# Altium PCB 电解模块主控板SC_V1.1_ZM_20211015.PcbDoc (part 4 of 4)
Units mm, origin at the board's own origin, x right, y up, seen from the top; angles counter-clockwise.
Board outline 150.25 x 100.26 mm, 2 copper layers (Top Layer, Bottom Layer); 223 components, 168 nets, 679 pads, 1966 vias.
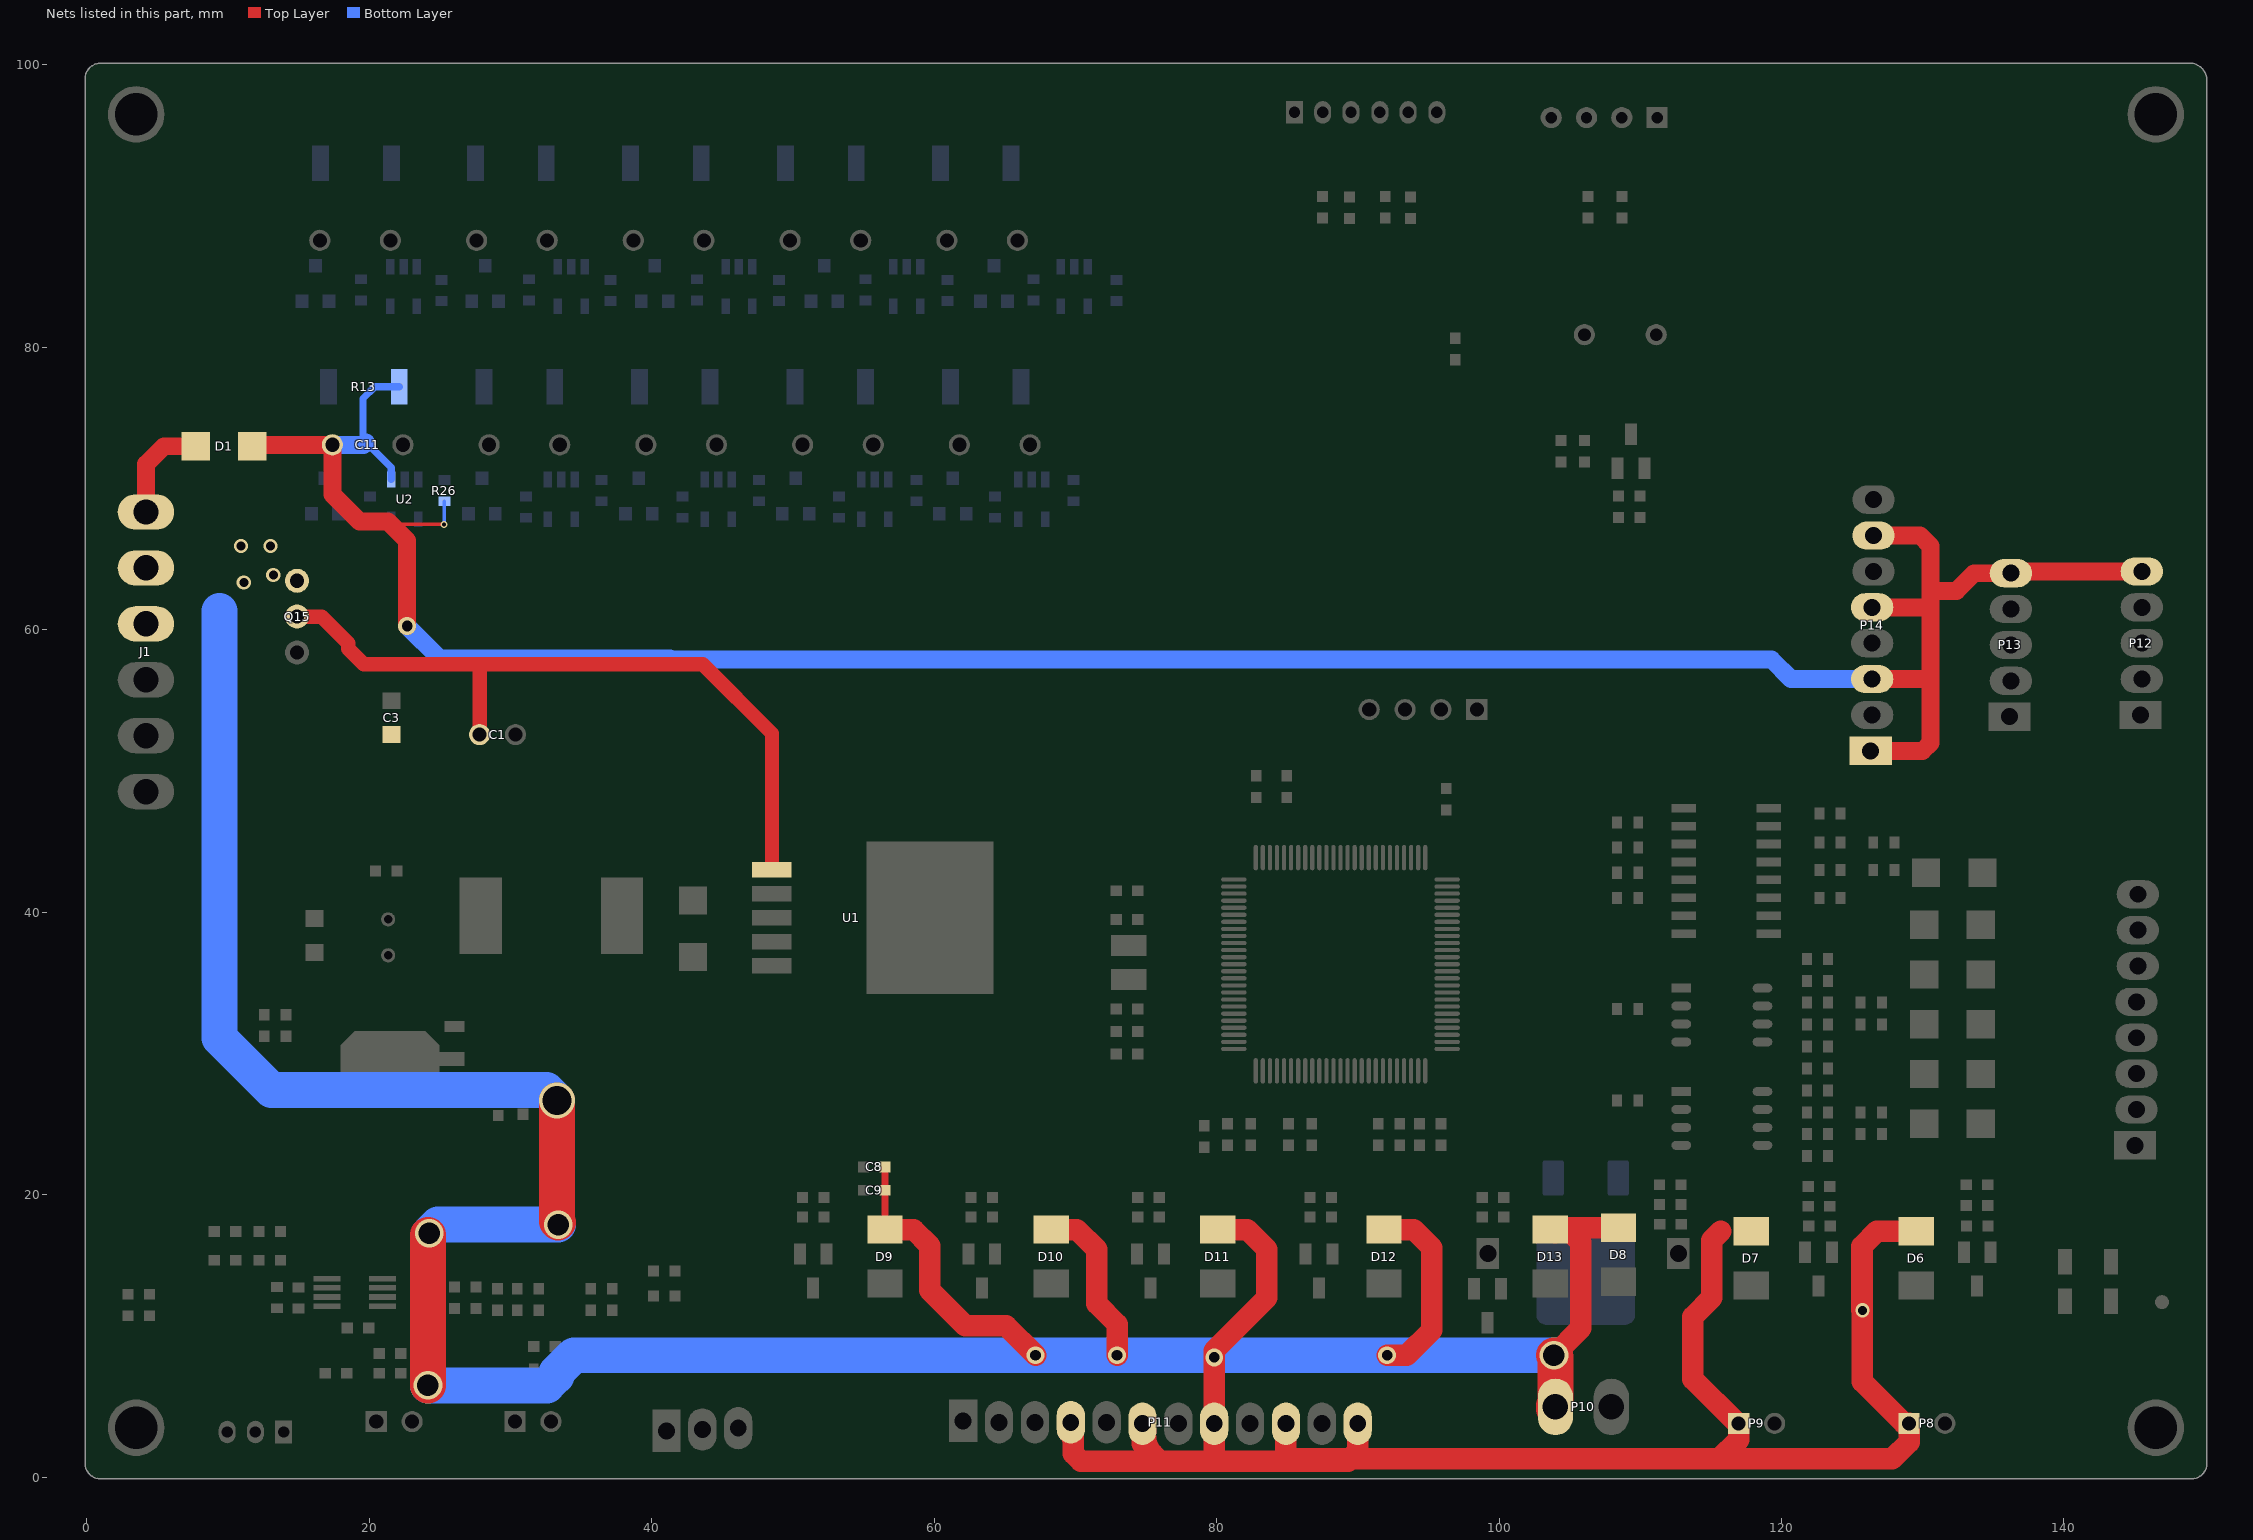
[diagram p4: the nets of this part, all layers, seen from the top]

## Via types
v1: diameter 0.762, hole 0.508, Top Layer to Bottom Layer, tented both sides, 1790 vias
v2: diameter 0.508, hole 0.305, Top Layer to Bottom Layer, tented both sides, 127 vias
v3: diameter 1.016, hole 0.635, Top Layer to Bottom Layer, tented both sides, 39 vias
v4: diameter 1.27, hole 0.762, Top Layer to Bottom Layer, tented both sides, 5 vias
v5: diameter 2.032, hole 1.524, Top Layer to Bottom Layer, tented both sides, 4 vias
v6: diameter 2.54, hole 2.032, Top Layer to Bottom Layer, tented both sides, 1 vias

## Nets (pads, with @x,y where several pads share a name; then routed paths per layer and width w, separated by ;. In a path a pad name is that pad's centre, name@x,y a point inside that pad or via, vN(x,y) a via of type N, cw(c..) or ccw(c..) an arc to the next point about the centre after c; other vN are vias at no path point) (continued)
VDD12V: C8.2 C9.2 D1.1 D6.2 D7.2 D8.2 D9.2 D10.2 D11.2 D12.2 D13.2 J1.4 J1.5 J1.6 P8.1 P9.1 P10.1 P11.4 P11.6 P11.8 P11.10 P11.12 Q15.3 | length 378.7
  Top Layer w0.508: D9.2@56.515,17.536 C9.2@56.515,20.32 C8.2@56.515,21.971
  Top Layer w1.27: J1.6@4.191,68.343 4.191,71.73 5.461,73 D1.1@7.722,73
  Top Layer w1.524: v5(33.376,17.882) v5@33.376,18.034 ; D9.2@56.515,17.536 58.537,17.536 59.69,16.383 59.69,13.233 62.192,10.731 65.087,10.731 v4(67.183,8.636) ; D10.2@68.294,17.536 70.094,17.536 71.501,16.129 71.501,12.294 72.949,10.846 v4(72.949,8.636) ; P11.4@69.504,3.22 cw(c68.668,2.384) 69.85,2.384 ; P11.4@69.672,3.888 69.85,3.71 69.85,1.676 70.383,1.143 75.971,1.143 ; P11.6@74.752,3.788 74.752,2.362 75.971,1.143 ; P11.6@74.987,3.248 ccw(c76.833,2.931) 75.509,1.606 ; v4@79.832,8.966 P11.8@79.832,3.788 79.832,1.219 79.908,1.143 ; v4(79.833,8.484) 79.833,8.967 83.566,12.7 83.566,16.129 82.159,17.536 D11.2@80.073,17.536 ; P11.10@84.912,3.788 84.912,1.295 89.459,1.295 ; P11.12@89.992,3.788 89.992,1.829 89.459,1.295 ; D12.2@91.853,17.536 93.97,17.536 95.25,16.256 95.25,10.414 93.472,8.636 v4(92.075,8.636) ; v5(103.886,8.636) 105.796,10.546 105.796,16.632 104.892,17.536 D13.2@103.632,17.536 103.759,17.663 D8.2@108.458,17.663 ; D13.2@103.973,17.316 cw(c104.471,16.105) 105.397,17.031 ; 115.707,17.409 115.062,16.764 115.062,12.7 113.728,11.367 113.728,6.947 116.865,3.81 P9.1@116.967,3.81 116.967,2.667 115.595,1.295 ; v3@125.698,11.811 125.698,16.351 126.756,17.409 D6.2@129.54,17.409 ; v3(125.73,11.811) 125.73,6.751 128.671,3.81 P8.1@129.032,3.81 129.032,2.489 127.838,1.295 115.595,1.295 ; 75.971,1.143 79.908,1.143 ; 79.908,1.143 89.306,1.143 89.459,1.295 ; 89.459,1.295 115.595,1.295
  Top Layer w2.54: v5(24.155,6.502) v5@24.155,17.17 ; v6(33.299,26.67) 33.299,18.11 v5@33.376,18.034 ; P10.1@103.886,4.826 103.886,5.082 P10.1@103.99,4.978 103.99,8.532 v5(103.886,8.636)
  Bottom Layer w2.54: 9.398,61.341 9.398,31.09 13.081,27.407 32.563,27.407 v6(33.299,26.67) ; v5(24.155,6.502) 32.582,6.502 33.249,7.169 33.249,7.4 34.485,8.636 v4(67.183,8.636) v4(72.949,8.636) v5(103.886,8.636) ; v5(24.257,17.272) 24.867,17.882 v5(33.376,17.882)
  other v3: 11.125,63.348 13.208,63.881 10.922,65.938 13.005,65.938
VDD12V1: C1.1 C3.2 Q15.2 U1.1 | length 52
  Top Layer w1.016: Q15.2@14.884,60.935 16.637,60.935 18.517,59.055 18.517,58.654 19.615,57.556 27.61,57.556 ; C1.1@27.813,52.578 27.813,57.353 27.61,57.556 ; U1.1@48.514,43.024 48.514,52.654 43.612,57.556 27.61,57.556
VDD12V2: C11.1 D1.2 P12.5 P13.5 P14.1 P14.3 P14.5 P14.7 R13.1 R26.1 U2.1 | length 191.3
  Top Layer w0.254: 21.539,67.462 v2(25.298,67.462)
  Top Layer w1.27: D1.2@11.722,73 11.823,73.101 C11.1@17.388,73.101 17.388,69.581 19.304,67.666 21.336,67.666 21.539,67.462 22.682,66.319 v4(22.682,60.274) ; P14.1@126.316,51.435 129.997,51.435 130.556,51.994 130.556,56.693 ; P14.3@126.416,56.515 130.378,56.515 130.556,56.693 ; P14.5@126.416,61.595 130.327,61.595 130.556,61.366 ; P14.7@126.516,66.675 129.819,66.675 130.556,65.938 130.556,62.763 ; P12.5@145.515,64.135 136.371,64.135 P13.5@136.244,64.008 133.629,64.008 132.385,62.763 130.556,62.763 ; 130.556,56.693 130.556,61.366 ; 130.556,61.366 130.556,62.763
  Bottom Layer w0.254: v2(25.298,67.462) 25.324,67.488 R26.1@25.324,69.105
  Bottom Layer w0.508: U2.1@21.554,70.644 21.554,71.486 19.761,73.279 19.558,73.482 19.558,76.378 20.396,77.216 R13.1@22.123,77.216
  Bottom Layer w1.27: C11.1@17.388,73.101 19.583,73.101 19.761,73.279 ; v4(22.682,60.274) 24.994,57.963 41.3,57.963 41.377,57.887 119.304,57.887 120.675,56.515 P14.3@126.416,56.515
pads on no net: P5.5 P5.6 P12.1 P13.1 Q8.4 Q8.5 U2.4 U3.7 U3.9 U4.4 U5.4 U6.4 U7.4 U10.7 U10.8 U10.9 U10.15 U10.16 U10.17 U10.18 U10.37 U10.55 U10.60 U10.67 U10.77 U10.84 U10.96 U10.97 U10.98 U12.4 U13.4 U14.4 U15.4 U16.4

## Polygon pours and split planes (outlines as drawn)
GND on Top Layer "Top Layer-No Net" (solid, remove dead copper, pour order 10): -21.793,109.093 -14.282,101.582 154.102,101.582 154.102,-0.762 -10.109,-0.762 -10.109,101.582
GND on Bottom Layer "Top Layer-No Net" (solid, remove dead copper, pour order 12): -3.937,105.156 154.305,105.156 155.194,106.045 157.099,104.14 157.099,-2.413 120.777,-2.413 117.348,-5.842 113.538,-2.032 -4.953,-2.032 -4.953,106.045 -4.699,106.299

## Keep-outs
Keep-Out Layer:
  circle w0.127: c146.451,3.525 r6
  circle w0.127: c146.553,96.515 r6
  circle w0.127: c3.525,96.566 r6
  circle w0.127: c3.475,3.475 r6
  lines w0.254: 0.746,100 148.746,100 ; 1,100 ccw(c1,99) 0,99 0,1 ccw(c1,1) 1,0 149,0 ccw(c149,1) 150,1 150,99 ccw(c148.859,98.859) 148.717,100
Mechanical 1:
  lines w0.254: 0.762,100 148.762,100 ; 1.016,100 ccw(c1.016,99) 0.016,99 0.016,1 ccw(c1.016,1) 1.016,0 149.016,0 ccw(c149.016,1) 150.016,1 150.016,99 ccw(c148.875,98.859) 148.733,100

## Other copper
Top Layer:
  rectangle net GND: 1.524,48.133 7.264,49.2
  rectangle net GND: 1.27,52.095 7.163,52.984
  rectangle net GND: 3.226,46.584 4.826,58.242
  rectangle net GND: 1.422,56.032 7.315,57.15
  rectangle net GND: 14.478,57.302 15.367,59.334
  rectangle net GND: 13.183,57.963 16.743,58.776
  rectangle net GND: 57.785,33.909 61.976,45.466
  rectangle net GND: 52.578,36.703 66.675,42.799
  rectangle net NetC32_2: 142.799,11.278 148.184,16.637
  rectangle net NetC32_2: 144.094,1.295 148.692,16.637
  pour cut-out: 150,18.745 140.614,18.745 140.614,6.756 150,6.756
  region net VDD12V: 2.794,70.104 9.271,70.104 12.776,66.599 15.926,66.599 15.926,62.509 12.979,62.509 9.271,58.801 2.794,58.801 1.905,59.69 1.905,69.215
  region net VDD12V1: 24.511,53.34 25.273,54.102 29.083,54.102 29.083,51.943 28.321,51.181 20.447,51.181 20.193,51.435 20.193,52.959 20.574,53.34
Bottom Layer:
  rectangle net GND: 13.335,58.064 16.383,58.776
  pour cut-out: 149.569,18.821 140.184,18.821 140.184,6.756 149.569,6.756
  region net VDD12V: 2.794,70.104 9.271,70.104 12.776,66.599 15.977,66.599 15.977,62.535 13.005,62.535 9.271,58.801 2.794,58.801 1.905,59.69 1.905,69.215
  region net NetD8_1: 103.911,17.932 103.937,17.958 109.931,17.958 110.388,17.501 110.388,4.674 108.458,2.743 106.705,2.743 106.248,3.2 106.248,9.5 105.054,10.693 103.022,10.693 102.184,11.532 102.184,17.501 102.616,17.932

## Silkscreen, mask and mechanical layers (free items; w line width, h text height)
Top Overlay:
  circle w0.5: c146.5,3.5 r2.5
  circle w0.5: c146.5,96.5 r2.5
  circle w0.5: c3.5,96.5 r2.5
  circle w0.5: c3.5,3.5 r2.5
  text "屏幕" at 79.07,94.539 h2.03
  text "uart1" at 115.062,94.234 h2.03
  text "+" at 10.541,64.135 h2.03
  text "12V" at 130.454,63.856 h1.27
  text "GND" at 130.683,61.112 h1.27
  text "+" at 10.795,60.198 h2.03
  text "A" at 131.648,59.106 h1.27
  text "AOPWMG_V1.5 20220316" at 46.126,57.302 h2.54
  text "-" at 11.684,56.515 h2.03 r90
  text "B" at 131.623,56.21 h1.27
  text "-" at 11.557,52.832 h2.03 r90
  text "-" at 11.557,49.276 h2.03 r90
  text "A" at 140.157,40.919 h1.27
  text "B" at 140.157,38.405 h1.27
  text "A" at 140.157,35.89 h1.27
  text "B" at 140.157,33.376 h1.27
  text "A" at 140.157,30.861 h1.27
  text "B" at 140.157,28.346 h1.27
  text "A" at 140.157,25.832 h1.27
  text "B" at 140.157,23.317 h1.27
  text "泵1" at 105.131,9.271 h1.27
  text "G" at 109.322,9.093 h1.02
  text "24V" at 99.314,9.042 h1.02
  text "高压开关" at 60.833,7.992 h1.27
  text "阀1" at 67.539,8.001 h1.27
  text "阀2" at 72.517,8.001 h1.27
  text "阀3" at 77.876,8.001 h1.27
  text "阀4" at 82.829,8.001 h1.27
  text "阀5" at 88.417,8.001 h1.27
  text "5V" at 45.695,7.925 h1.02
  text "流量计" at 41.224,7.823 h1.27
  text "G" at 39.522,7.772 h1.02
  text "蠕动泵" at 116.383,7.391 h1.27
  text "泵3" at 129.718,6.934 h1.27
  text "G" at 133.325,6.756 h1.02
  text "24V" at 125.095,6.629 h1.02
  text "24V" at 113.182,6.604 h1.02
  text "G" at 119.583,6.401 h1.02
  text "水位开关" at 8.001,5.817 h1.27
  text "原水TDS" at 35.992,5.766 h1.27 r270
  text "G" at 14.199,5.512 h1.02
  text "进水TDS" at 26.162,5.359 h1.27 r270
Top Solder:
  lines w2.54: 33.376,18.034 33.401,26.772
Bottom Solder:
  lines w2.54: 9.373,62.509 9.373,31.09 13.056,27.407 32.537,27.407 ; 24.155,6.502 32.582,6.502 ; 24.867,17.882 33.376,17.882 ; 33.206,7.4 34.442,8.636 67.141,8.636 ; 67.183,8.636 72.949,8.636 103.886,8.636

## Text inside footprints (layer, text, board x,y; h text height)
C1: Top Overlay "+" at 28.397,51.867 h1.52 r180
C2: Top Overlay "+" at 20.378,38.694 h1.02 r90
C7: Top Overlay "+" at 64.084,88.29 h1.52
C11: Top Overlay "+" at 19.202,72.39 h1.52 r180
C18: Top Overlay "+" at 52.984,88.29 h1.52
C19: Top Overlay "+" at 30.302,72.39 h1.52 r180
C20: Top Overlay "+" at 41.885,88.29 h1.52
C21: Top Overlay "+" at 41.402,72.39 h1.52 r180
C41: Top Overlay "+" at 30.785,88.29 h1.52
C42: Top Overlay "+" at 52.502,72.39 h1.52 r180
C43: Top Overlay "+" at 19.685,88.29 h1.52
C44: Top Overlay "+" at 63.602,72.39 h1.52 r180